# KiCad board Backplane_v2.kicad_pcb (continued)
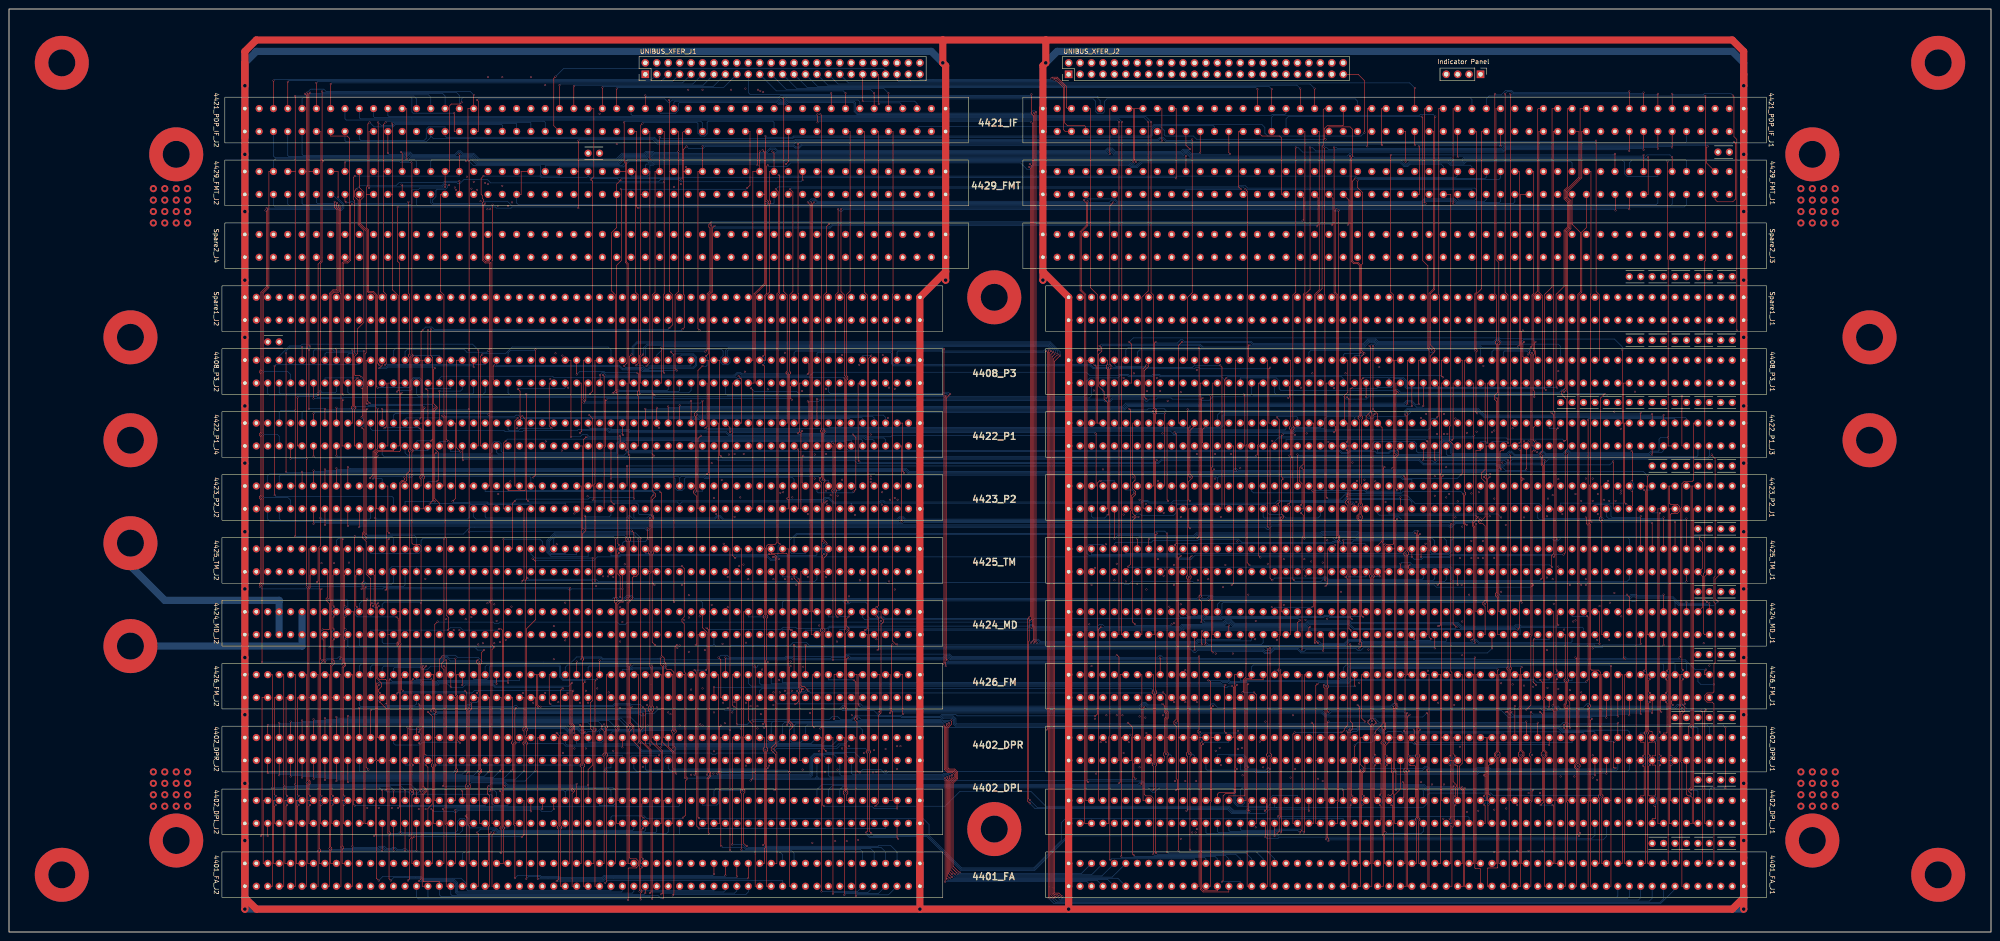
[diagram p0: board, top side]
## Routing (per net, layer and track width the routed paths; a pad name or vN(x,y) marks a point on that pad's centre or on a via; arc(x,y) is an arc through that point) (continued)
  B.Sig.In w0.127: 4402_DPR_J1.30 349.54,39.24 v2(351.57,39.24) ; v2(196.63,76.07) 196.89,76.33 252.26,76.33 v2(252.51,76.07) 252.77,76.33 268.89,76.33 269.15,76.07 349.03,76.07 v2(350.05,77.09)
M1MBS01*: length 228
  F.Sig.In w0.127: v2(348.27,36.83) 348.27,69.34 348.52,69.6 348.52,76.58 v2(349.03,77.09) ; 4426_FM_J2.8 195.62,52.07 195.62,77.6 v2(195.36,77.85) ; v2(250.48,77.34) 4425_TM_J1.108
  B.Sig.In w0.127: 4402_DPR_J1.32 347,36.83 v2(348.27,36.83) ; v2(349.03,77.09) 348.27,76.33 292.14,76.33 291.88,76.58 271.31,76.58 270.55,77.34 262.93,77.34 262.42,77.85 250.99,77.85 v2(250.48,77.34) 250.35,77.22 245.4,77.22 244.51,78.11 195.62,78.11 v2(195.36,77.85)
M1MBS02*: length 317.2
  F.Sig.In w0.127: v2(192.57,35.56) 193.08,36.07 193.08,47.62 192.44,48.26 192.44,48.89 193.08,49.53 193.08,52.07 4426_FM_J2.10 ; v2(344.46,34.54) 4402_DPR_J1.34 345.48,38.1 345.48,44.83 345.73,45.09 345.73,49.78 345.48,50.04 345.48,55.5 345.22,55.75 345.22,56.01 345.48,56.26 345.48,66.67 345.98,67.18 345.98,76.58 v2(346.49,77.09) ; v2(247.94,77.85) 4425_TM_J1.110
  B.Sig.In w0.127: v2(346.49,77.09) 346.24,77.34 338.87,77.34 338.62,77.6 293.02,77.6 292.77,77.34 291.75,77.34 291.5,77.6 263.05,77.6 262.55,78.11 248.19,78.11 v2(247.94,77.85) ; v2(344.46,34.54) 343.7,35.31 242.73,35.31 242.1,34.67 240.95,34.67 240.07,35.56 209.2,35.56 208.95,35.31 192.82,35.31 v2(192.57,35.56)
M1MBS03*: length 230.5
  F.Sig.In w0.127: v2(188.88,78.11) 188.5,77.72 188.5,52.07 4426_FM_J2.12 ; v2(245.4,78.11) 4425_TM_J1.112 ; 4402_DPR_J1.36 342.94,38.1 342.94,48.26 343.19,48.51 343.19,50.55 342.94,50.8 342.94,71.75 342.43,72.26 342.43,73.28 342.94,73.79 342.94,78.11 v2(342.68,78.36)
  B.Sig.In w0.127: v2(188.88,78.11) 189.14,78.36 245.15,78.36 v2(245.4,78.11) 245.65,78.36 262.67,78.36 263.31,78.99 276.77,78.99 277.15,79.38 277.15,80.64 277.79,81.28 289.6,81.28 290.1,80.77 290.1,78.23 290.49,77.85 291.63,77.85 291.88,77.6 292.64,77.6 292.9,77.85 342.17,77.85 v2(342.68,78.36)
M1MBS04*: length 156.4
  F.SigTop w0.127: v2(261.91,39.5) v2(261.91,78.87)
  F.Sig.In w0.127: 4426_FM_J2.22 177.84,52.07 178.09,52.32 178.09,78.11 v2(177.33,78.87)
  B.Sig.In w0.127: v2(261.91,78.87) 261.66,78.61 242.86,78.61 ; 242.86,78.61 4425_TM_J1.114 ; 242.86,78.61 181.9,78.61 181.65,78.36 177.84,78.36 v2(177.33,78.87)
  B.Sig.Top w0.127: 4402_DPR_J1.98 263.18,39.12 262.8,39.5 v2(261.91,39.5)
M1MBS05*: length 153.2
  F.Sig.In w0.127: v2(174.79,77.09) 175.3,76.58 175.3,56.64 174.28,55.63 4426_FM_J2.24 ; v2(240.32,77.09) 4425_TM_J1.116 ; v2(258.61,77.09) 259.12,76.58 259.12,57.66 259.37,57.4 259.37,51.94 259.62,51.69 259.62,38.1 4402_DPR_J1.100
  B.Sig.In w0.127: v2(258.61,77.09) 258.35,76.84 240.57,76.84 v2(240.32,77.09) 240.07,76.84 175.04,76.84 v2(174.79,77.09)
M1MBS06*: length 130.6
  F.SigTop w0.127: v2(256.83,39.5) 256.83,47.37 257.08,47.62 257.08,48.64 256.83,48.89 256.83,52.58 v2(256.19,53.21) ; v2(177.45,53.59) 176.57,54.48 176.06,54.48 175.8,54.74 175.8,80.01 4425_TM_J2.22
  B.Sig.Top w0.127: 4402_DPR_J1.102 258.1,39.12 257.72,39.5 v2(256.83,39.5) ; 4426_FM_J2.26 172.76,53.09 176.95,53.09 v2(177.45,53.59) 177.96,53.09 253.78,53.09 254.04,52.83 254.54,52.83 254.8,53.09 256.07,53.09 v2(256.19,53.21)
M1MBS07*: length 133
  F.SigTop w0.127: v2(174.53,50.67) 174.79,50.67 175.3,51.18 175.3,53.21 175.55,53.47 175.55,53.98 175.3,54.23 175.3,77.6 174.28,78.61 4425_TM_J2.24 ; 4402_DPR_J1.104 256.58,38.1 256.58,38.99 256.32,39.24 256.32,39.75 256.58,40 256.58,47.5 256.83,47.75 256.83,48.51 256.58,48.77 256.58,50.16 v2(256.07,50.67)
  B.Sig.Top w0.127: 4426_FM_J2.28 170.6,50.67 v2(174.53,50.67) 188.38,50.67 188.5,50.8 188.88,50.8 189.52,50.16 250.86,50.16 251.62,50.93 252.38,50.93 252.89,50.42 255.81,50.42 v2(256.07,50.67)
M1MBS08*: length 69.8
  F.SigTop w0.127: 176.06,53.98 175.93,53.85 175.93,53.72 ; 176.06,53.98 v2(176.31,53.98) ; 176.06,53.98 175.93,53.98 ; v2(175.3,78.36) 175.55,78.11 175.55,54.36 175.93,53.98 ; 4402_DPR_J2.22 175.55,38.1 175.55,53.09 175.93,53.47 175.93,53.72 ; v2(156.5,54.36) 4426_FM_J2.38 ; 175.93,53.72 175.93,53.98
  B.Sig.Top w0.127: 4425_TM_J2.26 171.74,78.87 174.79,78.87 v2(175.3,78.36) ; v2(156.5,54.36) 175.93,54.36 v2(176.31,53.98)
M1MBS09*: length 71.7
  F.Sig.In w0.127: v2(173.77,78.36) 173.26,77.85 173.26,60.83 173.52,60.58 173.77,60.58 174.03,60.33 174.03,59.82 173.77,59.56 173.39,59.56 173.01,59.18 173.01,54.36 v2(173.77,53.59) 173.26,53.09 173.26,46.86 174.03,46.1 174.03,45.59 173.01,44.58 173.01,38.1 4402_DPR_J2.24 ; v2(153.96,54.1) 4426_FM_J2.40
  B.Sig.In w0.127: v2(173.77,78.36) 173.26,78.87 170.34,78.87 4425_TM_J2.28 ; v2(173.77,53.59) 173.26,54.1 169.33,54.1 168.95,53.72 154.34,53.72 v2(153.96,54.1)
M1MBS10*: length 72.3
  F.Sig.In w0.127: v2(172.25,78.36) 172.76,77.85 172.76,54.1 v2(172.25,53.59) 172.76,53.09 172.76,47.12 172.25,46.61 172.25,45.85 172.76,45.34 172.76,38.1 4402_DPR_J2.26 ; v2(151.42,53.85) 4426_FM_J2.42
  B.Sig.In w0.127: 4425_TM_J2.30 166.66,78.87 169.96,78.87 170.47,78.36 v2(172.25,78.36) ; v2(172.25,53.59) 171.99,53.85 169.45,53.85 169.07,53.47 151.8,53.47 v2(151.42,53.85)
M1MBS11*: length 71.7
  F.Sig.In w0.127: v2(169.71,78.36) 170.22,77.85 170.22,53.72 v2(169.71,53.21) 170.22,52.71 170.22,51.56 169.32,50.66 169.32,50.17 170.22,49.28 170.22,41.91 169.2,40.89 4402_DPR_J2.28 ; v2(164.12,78.36) 4425_TM_J2.32
  B.Sig.In w0.127: 4426_FM_J2.44 148.88,53.21 v2(169.71,53.21) ; v2(169.71,78.36) 169.2,77.85 164.63,77.85 v2(164.12,78.36)
M1MBS12*: length 79.2
  F.Sig.In w0.127: 4426_FM_J2.54 137.2,52.07 137.2,73.15 137.7,73.66 137.7,73.79 137.45,74.04 137.45,80.9 v2(136.69,81.66) ; v2(133.13,53.21) 132.62,52.71 132.62,45.97 132.88,45.72 132.88,45.47 132.62,45.21 132.62,40.26 131.86,39.5 131.86,39.12 132.12,38.86 132.12,38.1 4402_DPR_J2.58
  B.Sig.In w0.127: 4425_TM_J2.34 161.58,81.28 161.07,81.79 148.88,81.79 148.25,81.15 137.2,81.15 v2(136.69,81.66) ; 4426_FM_J2.54 136.18,53.21 v2(133.13,53.21)
M1MBS13*: length 74.8
  F.Sig.In w0.127: v2(128.56,50.93) 129.07,50.42 129.07,45.21 129.58,44.7 129.58,38.1 4402_DPR_J2.60 ; v2(134.15,78.87) 134.66,78.36 134.66,74.29 134.4,74.04 134.4,73.28 134.66,73.02 134.66,52.07 4426_FM_J2.56
  B.Sig.In w0.127: 4426_FM_J2.56 133.64,50.93 v2(128.56,50.93) ; v2(134.15,78.87) 159.04,78.87 4425_TM_J2.36
M1MBS14*: length 51.5
  F.Sig.In w0.127: v2(128.05,53.59) 127.67,53.59 127.29,53.21 127.29,45.59 126.78,45.09 126.78,44.07 127.04,43.81 127.04,38.1 4402_DPR_J2.62 ; 4425_TM_J2.56 132.37,80.01 132.37,53.34 4426_FM_J2.58
  B.Sig.In w0.127: 4426_FM_J2.58 131.1,53.34 130.85,53.59 v2(128.05,53.59)
M1MBS15*: length 52.7
  F.Sig.In w0.127: 4402_DPR_J2.64 124.5,38.1 124.5,44.7 123.99,45.21 123.99,45.72 124.5,46.23 124.5,52.58 v2(123.99,53.09) ; 4425_TM_J2.58 129.58,80.01 129.58,52.07 4426_FM_J2.60
  B.Sig.In w0.127: 4426_FM_J2.60 128.56,53.09 v2(123.99,53.09)
M1MBS16*: length 108.7
  F.SigTop w0.127: 4426_FM_J2.70 116.88,52.07 v2(116.88,35.81) ; 4402_DPR_J2.102 v2(75.22,33.27)
  F.Sig.In w0.127: v2(126.78,50.93) 127.04,51.18 127.04,59.94 126.53,60.45 126.53,60.83 127.04,61.34 127.04,79.5 127.54,80.01 4425_TM_J2.60
  B.Sig.In w0.127: 4426_FM_J2.70 115.86,50.55 115.99,50.42 116.62,50.42 116.75,50.55 119.16,50.55 119.54,50.16 126.02,50.16 v2(126.78,50.93)
  B.Sig.Top w0.127: v2(75.22,33.27) 75.47,33.53 114.59,33.53 v2(116.88,35.81)
M1MBS17*: length 162.8
  F.SigTop w0.127: 4426_FM_J2.72 114.34,52.07 114.34,45.47 114.08,45.21 114.08,44.83 114.34,44.58 114.34,42.29 114.08,42.04 114.08,41.78 114.34,41.53 v2(114.34,35.81) ; 4402_DPR_J2.104 v2(72.68,33.53)
  F.Sig.In w0.127: v2(75.47,82.04) 73.95,80.52 73.95,60.33 73.44,59.82 73.44,59.31 73.7,59.05 73.7,38.1 4402_DPR_J2.104
  B.Sig.In w0.127: 4425_TM_J2.62 126.02,81.03 125.26,81.79 75.73,81.79 v2(75.47,82.04)
  B.Sig.Top w0.127: v2(72.68,33.53) 72.93,33.78 112.3,33.78 v2(114.34,35.81)
M1MBS18*: length 162.3
  F.SigTop w0.127: v2(111.54,35.81) 111.8,36.07 111.8,41.66 111.54,41.91 111.54,42.16 111.8,42.42 111.8,52.07 4426_FM_J2.74 ; 4402_DPR_J2.106 v2(70.14,33.78)
  F.Sig.In w0.127: v2(72.17,81.91) 71.66,81.41 71.66,60.58 70.9,59.82 70.9,59.31 71.16,59.05 71.16,38.1 4402_DPR_J2.106
  B.Sig.In w0.127: 4425_TM_J2.64 123.48,81.03 122.97,81.53 72.55,81.53 v2(72.17,81.91)
  B.Sig.Top w0.127: v2(111.54,35.81) 109.76,34.04 70.39,34.04 v2(70.14,33.78)
M1MBS19*: length 161.7
  F.SigTop w0.127: 4402_DPR_J2.108 v2(67.6,34.04) ; v2(109,35.81) 109.26,36.07 109.26,52.07 4426_FM_J2.76
  F.Sig.In w0.127: v2(69.38,81.91) 68.87,81.41 68.87,77.47 68.62,77.22 68.62,38.1 4402_DPR_J2.108
  B.Sig.In w0.127: v2(69.38,81.91) 70.01,81.28 120.69,81.28 120.94,81.03 4425_TM_J2.66
  B.Sig.Top w0.127: v2(67.6,34.04) 67.85,34.29 107.48,34.29 v2(109,35.81)
M1MBS20*: length 105.6
  F.Sig.In w0.127: v2(130.34,76.84) 129.83,76.33 129.83,54.86 v2(130.59,54.1) 130.08,53.59 130.08,45.34 129.83,45.09 129.83,44.83 130.08,44.58 130.08,24.13 4402_DPL_J2.58
  B.Sig.In w0.127: v2(130.34,76.84) 128.81,78.36 118.91,78.36 118.4,78.87 4425_TM_J2.68 ; 4426_FM_J2.86 95.54,53.21 99.99,53.21 100.87,54.1 101.51,54.1 102.02,53.59 123.35,53.59 123.86,54.1 v2(130.59,54.1)
M1MBS21*: length 117.1
  F.Sig.In w0.127: 91.98,52.07 91.98,32.38 92.62,31.75 92.62,31.12 91.98,30.48 91.98,27.81 v2(92.49,27.3) ; 91.98,52.07 4426_FM_J2.88 ; 91.98,52.07 91.98,57.78 93.13,58.93 93.13,63.5 91.98,64.64 91.98,77.98 v2(92.43,78.42)
  B.Sig.In w0.127: 4425_TM_J2.70 114.59,78.74 92.75,78.74 v2(92.43,78.42) ; v2(92.49,27.3) 93.51,26.29 99.48,26.29 99.99,26.8 102.14,26.8 102.65,26.29 128.43,26.29 128.56,26.16 4402_DPL_J2.60
M1MBS22*: length 105.6
  F.SigTop w0.127: v2(82.08,72.39) 81.82,72.14 81.82,56.51 82.21,56.13 83.6,56.13 83.86,55.88 83.86,50.8 v2(83.6,50.55) ; v2(80.81,72.39) 81.06,72.64 81.06,79.25 4425_TM_J2.98
  F.Sig.In w0.127: 4426_FM_J2.90 91.48,52.07 91.48,37.34 91.22,37.08 91.22,31.37 91.48,31.12 91.48,27.81 v2(90.97,27.3)
  B.Sig.In w0.127: v2(90.97,27.3) 92.24,26.03 99.6,26.03 100.11,26.54 101.89,26.54 102.4,26.03 125.64,26.03 126.02,25.65 4402_DPL_J2.62
  B.Sig.Top w0.127: 4426_FM_J2.90 90.46,50.67 90.08,50.29 83.86,50.29 v2(83.6,50.55) ; v2(82.08,72.39) 81.82,72.14 81.06,72.14 v2(80.81,72.39)
M1MBS23*: length 114.7
  F.SigTop w0.127: v2(86.14,52.96) 86.4,53.21 86.4,63.37 86.14,63.63 86.14,64.26 86.4,64.52 86.4,69.6 v2(86.01,69.98) ; v2(121.57,44.2) 122.21,43.56 v2(122.21,23.24) ; v2(125.51,44.2) 125.51,45.85 125,46.36 125,53.34 v2(125.26,53.59) ; v2(77.25,72.14) 77,72.39 77,79.25 4425_TM_J2.100
  B.Sig.Top w0.127: 87.92,53.09 86.27,53.09 v2(86.14,52.96) ; 87.92,53.09 102.78,53.09 103.29,53.59 v2(125.26,53.59) ; 87.92,53.09 4426_FM_J2.92 ; 4402_DPL_J2.64 123.48,23.11 122.34,23.11 v2(122.21,23.24) ; v2(86.01,69.98) 77.38,69.98 76.74,70.61 76.74,71.63 v2(77.25,72.14) ; v2(121.57,44.2) v2(125.51,44.2)
M1MBS24*: length 60.2
  F.SigTop w0.127: v2(74.46,28.32) 74.2,28.07 74.2,24.13 4402_DPL_J2.102 ; 74.2,52.07 4426_FM_J2.102 ; 74.2,52.07 74.2,30.48 v2(74.46,30.23) ; 74.2,52.07 74.2,58.67 74.71,59.18 74.71,59.69 74.46,59.94 74.46,64.77 v2(74.71,65.02) ; v2(74.71,67.18) 74.46,67.44 74.46,69.85 v2(74.71,70.1) ; 4425_TM_J2.102 74.46,79.25 74.46,72.52 v2(74.71,72.26)
  B.Sig.Top w0.127: v2(74.71,65.02) 74.2,65.53 74.2,66.67 v2(74.71,67.18) ; v2(74.71,70.1) 74.2,70.61 74.2,71.75 v2(74.71,72.26) ; v2(74.46,30.23) 74.2,29.97 74.2,28.58 v2(74.46,28.32)
M1MBS25*: length 60.2
  F.SigTop w0.127: v2(72.17,70.1) 71.92,69.85 71.92,67.44 v2(72.17,67.18) ; 4425_TM_J2.104 71.92,79.25 71.92,72.52 v2(72.17,72.26) ; v2(71.92,30.23) 71.66,30.48 71.66,52.07 ; v2(71.92,28.32) 71.66,28.07 71.66,24.13 4402_DPL_J2.104 ; 71.66,52.07 71.66,59.05 72.17,59.56 72.17,60.2 71.92,60.45 71.92,64.77 v2(72.17,65.02) ; 71.66,52.07 4426_FM_J2.104
  B.Sig.Top w0.127: v2(72.17,72.26) 71.66,71.75 71.66,70.61 v2(72.17,70.1) ; v2(72.17,65.02) 71.66,65.53 71.66,66.67 v2(72.17,67.18) ; v2(71.92,30.23) 71.66,29.97 71.66,28.58 v2(71.92,28.32)
M1MBS26*: length 61.4
  F.SigTop w0.127: 69.12,52.07 4426_FM_J2.106 ; 69.12,52.07 69.12,30.48 v2(69.38,30.23) ; 69.12,52.07 69.12,59.56 69.89,60.33 69.89,64.77 v2(69.63,65.02) ; v2(69.63,67.18) 71.03,67.18 71.16,67.31 71.16,72.9 70.39,73.66 70.39,74.04 70.78,74.42 70.78,79.38 4425_TM_J2.106 ; v2(69.38,28.32) 69.12,28.07 69.12,24.13 4402_DPL_J2.106
  B.Sig.Top w0.127: v2(69.38,28.32) 69.12,28.58 69.12,29.97 v2(69.38,30.23) ; v2(69.63,65.02) 69.12,65.53 69.12,66.67 v2(69.63,67.18)
M1MBS27*: length 59
  F.SigTop w0.127: 66.58,52.07 66.58,33.78 66.84,33.53 66.84,32.89 66.58,32.64 66.58,30.48 v2(66.84,30.23) ; 66.58,52.07 66.58,76.2 66.84,76.45 66.84,79.25 4425_TM_J2.108 ; 66.58,52.07 4426_FM_J2.108 ; 4402_DPL_J2.108 66.58,24.13 66.58,27.94 v2(66.84,28.19)
  B.Sig.Top w0.127: v2(66.84,30.23) 66.58,29.97 66.58,28.45 v2(66.84,28.19)
M2EBS00*: length 70.9
  F.Sig.In w0.127: v2(338.36,54.48) 338.36,39.88 338.62,39.62 338.62,39.12 338.36,38.86 338.36,32.13 338.87,31.62 338.87,31.37 338.36,30.86 338.36,24.13 4402_DPL_J1.38
  B.Sig.In w0.127: 4426_FM_J1.68 301.28,53.47 302.04,54.23 338.11,54.23 v2(338.36,54.48)
M2EBS01*: length 71.4
  F.Sig.In w0.127: v2(336.33,54.74) 335.82,54.23 335.82,40 336.08,39.75 336.08,39.24 335.82,38.99 335.82,24.13 4402_DPL_J1.40
  B.Sig.In w0.127: v2(336.33,54.74) 336.08,54.48 301.92,54.48 301.03,53.59 299.12,53.59 298.74,53.21 4426_FM_J1.70
M2EBS02*: length 71.8
  F.Sig.In w0.127: 4402_DPL_J1.42 333.28,24.13 333.28,48.51 333.03,48.77 333.03,54.23 v2(333.79,54.99)
  B.Sig.In w0.127: v2(333.79,54.99) 333.54,54.74 301.79,54.74 300.9,53.85 296.71,53.85 296.2,53.34 4426_FM_J1.72
M2EBS03*: length 72.2
  F.Sig.In w0.127: v2(331.25,55.25) 330.74,54.74 330.74,40 331,39.75 331,38.99 330.74,38.74 330.74,24.13 4402_DPL_J1.44
  B.Sig.In w0.127: 4426_FM_J1.74 293.66,53.34 294.42,54.1 300.77,54.1 301.66,54.99 331,54.99 v2(331.25,55.25)
M2EBS04*: length 54.7
  F.Sig.In w0.127: 4402_DPL_J1.106 252,24.13 252,47.37 v2(252.26,47.62)
  B.Sig.In w0.127: v2(252.26,47.62) 252.51,47.88 254.42,47.88 255.43,46.86 256.83,46.86 257.59,47.62 276.01,47.62 278.42,50.04 4426_FM_J1.86
M2EBS05*: length 53.8
  F.Sig.In w0.127: 4402_DPL_J1.108 251.5,24.13 251.5,32.38 251.75,32.64 251.75,47.12 v2(250.99,47.88)
  B.Sig.In w0.127: 4426_FM_J1.88 275.88,50.04 273.72,47.88 257.46,47.88 256.7,47.12 255.56,47.12 254.54,48.13 251.24,48.13 v2(250.99,47.88)
M2EBS06*: length 56.4
  F.Sig.In w0.127: 4402_DPL_J1.110 246.92,24.13 246.92,38.74 247.31,39.12 247.69,39.12 248.07,39.5 248.07,40 247.69,40.39 247.18,40.39 246.92,40.64 246.92,47.88 v2(247.18,48.13)
  B.Sig.In w0.127: 4426_FM_J1.90 273.34,50.04 271.44,48.13 257.21,48.13 256.45,47.37 255.69,47.37 254.67,48.39 247.43,48.39 v2(247.18,48.13)
M2EBS07*: length 54.1
  F.Sig.In w0.127: 4402_DPL_J1.112 246.42,24.13 246.42,32.38 245.91,32.89 245.91,33.27 246.42,33.78 246.42,47.62 v2(245.91,48.13)
  B.Sig.In w0.127: v2(245.91,48.13) 246.42,48.64 255.05,48.64 255.95,47.74 256.44,47.74 257.08,48.39 269.15,48.39 270.8,50.04 4426_FM_J1.92
M2EBS08*: length 122.4
  F.Sig.In w0.127: 4402_DPL_J2.30 165.64,24.13 165.64,34.67 166.15,35.18 166.15,35.81 165.64,36.32 165.64,49.66 v2(166.15,50.16)
  B.Sig.In w0.127: v2(166.15,50.16) 166.41,49.91 184.19,49.91 184.82,50.55 185.46,50.55 186.22,49.78 192.31,49.78 192.44,49.91 246.42,49.91 246.67,50.16 246.67,52.96 247.18,53.47 253.4,53.47 253.78,53.85 254.8,53.85 255.56,53.09 4426_FM_J1.104
M2EBS09*: length 121
  F.Sig.In w0.127: v2(164.63,50.16) 164.63,46.61 165.14,46.1 165.14,24.13 4402_DPL_J2.32
  B.Sig.In w0.127: v2(164.63,50.16) 164.63,49.78 164.75,49.66 184.31,49.66 184.95,50.29 185.33,50.29 186.09,49.53 192.44,49.53 192.57,49.66 246.54,49.66 246.92,50.04 246.92,52.83 247.31,53.21 253.02,53.21 4426_FM_J1.106
M2EBS10*: length 119.5
  F.Sig.In w0.127: 4402_DPL_J2.34 160.31,24.13 160.31,44.32 160.56,44.58 160.56,45.09 160.31,45.34 160.31,48.51 v2(160.56,48.77)
  B.Sig.In w0.127: 4426_FM_J1.108 250.48,49.91 249.72,49.15 194.09,49.15 193.2,48.26 192.82,48.26 192.19,48.89 184.82,48.89 184.57,49.15 160.94,49.15 v2(160.56,48.77)
M2EBS11*: length 118.4
  F.Sig.In w0.127: v2(159.55,49.78) 160.06,49.28 160.06,45.47 159.55,44.96 159.55,44.7 160.06,44.2 160.06,24.13 4402_DPL_J2.36
  B.Sig.In w0.127: 4426_FM_J1.110 247.94,49.91 247.43,49.4 192.69,49.4 192.44,49.15 184.95,49.15 184.69,49.4 159.93,49.4 v2(159.55,49.78)
M2MBS00*: length 214.6
  F.Sig.In w0.127: v2(340.65,39.37) 340.65,18.29 v2(340.4,18.03) ; v2(188.5,20.45) 188,20.96 188,46.23 186.22,48.01 186.22,51.31 4426_FM_J2.14
  B.Sig.In w0.127: v2(340.65,39.37) 339.63,39.37 339.38,39.12 4402_DPR_J1.38 ; v2(188.5,20.45) 188.76,20.7 196.76,20.7 197.27,20.19 204,20.19 209.71,14.48 229.27,14.48 234.99,20.19 288.45,20.19 289.85,18.8 339.63,18.8 v2(340.4,18.03)
M2MBS01*: length 215.1
  F.Sig.In w0.127: v2(185.96,20.19) 185.46,20.7 185.46,30.48 185.2,30.73 185.2,31.24 185.46,31.5 185.46,39.24 184.44,40.26 184.44,40.89 185.46,41.91 185.46,48.89 184.44,49.91 4426_FM_J2.16 ; v2(338.11,39.37) 338.11,33.02 337.86,32.77 337.86,18.41 337.48,18.03 v2(337.35,18.03)
  B.Sig.In w0.127: v2(185.96,20.19) 186.22,19.94 188.76,19.94 189.27,20.45 196.63,20.45 197.14,19.94 203.87,19.94 209.59,14.22 229.4,14.22 235.11,19.94 288.33,19.94 289.72,18.54 336.84,18.54 v2(337.35,18.03) ; v2(338.11,39.37) 337.09,39.37 336.84,39.12 4402_DPR_J1.40
M2MBS02*: length 214.8
  F.Sig.In w0.127: v2(183.42,20.19) 182.92,20.7 182.92,46.74 182.66,46.99 182.66,47.5 182.92,47.75 182.92,52.07 4426_FM_J2.18 ; v2(334.81,18.03) 335.32,18.54 335.32,28.19 335.57,28.45 v2(335.57,39.37)
  B.Sig.In w0.127: 4402_DPR_J1.42 334.3,39.12 334.55,39.37 v2(335.57,39.37) ; v2(183.42,20.19) 183.93,19.68 188.88,19.68 189.39,20.19 196.5,20.19 197.01,19.68 203.74,19.68 209.46,13.97 229.52,13.97 235.24,19.68 288.2,19.68 289.6,18.29 334.55,18.29 v2(334.81,18.03)
M2MBS03*: length 215.2
  F.Sig.In w0.127: v2(329.73,17.78) 330.24,18.29 330.24,27.18 330.49,27.43 v2(330.49,39.37) ; v2(178.34,19.81) 178.09,20.07 178.09,45.59 178.34,45.85 178.34,52.07 4426_FM_J2.20
  B.Sig.In w0.127: v2(330.49,39.37) 331.51,39.37 331.76,39.12 4402_DPR_J1.44 ; v2(178.34,19.81) 178.73,19.43 189.01,19.43 189.52,19.94 196.38,19.94 196.89,19.43 203.62,19.43 209.33,13.72 229.65,13.72 235.37,19.43 288.07,19.43 289.47,18.03 329.6,18.03 329.73,17.91 v2(329.73,17.78)
M2MBS04*: length 107.9
  F.SigTop w0.127: v2(254.29,37.34) v2(254.29,53.34)
  B.Sig.Top w0.127: 4402_DPR_J1.106 253.78,37.34 v2(254.29,37.34) ; v2(254.29,53.34) 253.53,54.1 177.33,54.1 176.57,53.34 175.8,53.34 175.04,54.1 167.17,54.1 166.66,53.59 4426_FM_J2.30
M2MBS05*: length 109.4
  F.SigTop w0.127: v2(250.1,34.04) 249.72,34.42 249.72,37.34 4402_DPR_J1.108 ; v2(164.63,33.65) 165.14,34.16 165.14,46.1 164.12,47.12 4426_FM_J2.32
  B.Sig.Top w0.127: v2(250.1,34.04) 249.97,33.91 239.56,33.91 239.3,33.65 207.68,33.65 207.43,33.91 164.88,33.91 v2(164.63,33.65)
M2MBS06*: length 106.1
  F.SigTop w0.127: v2(248.45,46.48) 249.46,45.47 249.46,43.56 249.21,43.31 249.21,38.1 4402_DPR_J1.110 ; v2(161.58,46.1) 4426_FM_J2.34
  B.Sig.Top w0.127: v2(248.45,46.48) 248.19,46.23 210.35,46.23 210.22,46.36 210.22,47.37 209.59,48.01 207.17,48.01 206.79,47.62 198.16,47.62 197.9,47.88 192.95,47.88 192.82,48.01 187.74,48.01 186.98,47.24 184.57,47.24 183.93,47.88 182.79,47.88 182.15,47.24 165.01,47.24 163.87,46.1 v2(161.58,46.1)
M2MBS07*: length 124.2
  F.SigTop w0.127: v2(245.91,61.47) 246.04,61.47 246.42,61.09 246.42,38.1 4402_DPR_J1.112 ; 4426_FM_J2.36 158.02,52.07 158.02,60.45 v2(157.52,60.96)
  B.Sig.Top w0.127: v2(157.52,60.96) 158.02,61.47 159.42,61.47 159.93,60.96 172.25,60.96 172.5,61.21 185.46,61.21 185.96,61.72 208.82,61.72 209.33,61.21 245.65,61.21 v2(245.91,61.47)
M2MBS08*: length 36.6
  F.Sig.In w0.127: v2(146.34,48.77) 4426_FM_J2.46 ; v2(166.91,48.39) 166.91,45.47 167.68,44.7 167.68,41.02 167.42,40.77 167.42,40.26 167.68,40 167.68,38.1 4402_DPR_J2.30
  B.Sig.In w0.127: v2(166.91,48.39) 166.66,48.64 161.58,48.64 160.94,48.01 156.5,48.01 155.48,49.02 146.59,49.02 v2(146.34,48.77)
M2MBS09*: length 36.4
  F.Sig.In w0.127: v2(143.8,49.91) 4426_FM_J2.48 ; v2(163.61,50.93) 163.36,50.67 163.36,44.7 163.1,44.45 163.1,38.1 4402_DPR_J2.32
  B.Sig.In w0.127: v2(143.8,49.91) 144.05,50.16 158.79,50.16 158.91,50.29 160.82,50.29 160.94,50.42 163.1,50.42 v2(163.61,50.93)
M2MBS10*: length 36.1
  F.Sig.In w0.127: v2(161.07,51.05) 160.56,50.55 160.56,49.78 161.07,49.28 161.07,48.51 160.82,48.26 160.82,44.45 160.56,44.2 160.56,38.1 4402_DPR_J2.34 ; v2(141.64,50.42) 141.26,50.8 4426_FM_J2.50
  B.Sig.In w0.127: v2(141.64,50.42) 158.66,50.42 158.79,50.55 160.56,50.55 v2(161.07,51.05)
M2MBS11*: length 35.2
  F.Sig.In w0.127: 4402_DPR_J2.36 158.02,38.1 158.02,44.96 158.53,45.47 158.53,45.96 158.28,46.22 158.28,50.67 v2(158.53,50.93)
  B.Sig.In w0.127: v2(158.53,50.93) 138.72,50.93 4426_FM_J2.52
M2MBS12*: length 19.5
  F.Sig.In w0.127: 4402_DPR_J2.66 121.96,38.1 121.96,43.81 122.46,44.32 122.46,50.55 v2(121.96,51.05)
  B.Sig.In w0.127: v2(121.96,51.05) 126.02,51.05 4426_FM_J2.62
M2MBS13*: length 21.6
  F.Sig.In w0.127: 4402_DPR_J2.68 119.42,38.1 119.42,52.71 v2(119.04,53.09)
  B.Sig.In w0.127: 4426_FM_J2.64 123.48,53.09 v2(119.04,53.09)
M2MBS14*: length 19.1
  F.Sig.In w0.127: 4402_DPR_J2.70 116.88,38.1 116.88,50.42 v2(116.37,50.93)
  B.Sig.In w0.127: v2(116.37,50.93) 119.8,50.93 4426_FM_J2.66
M2MBS15*: length 21.9
  F.Sig.In w0.127: 4402_DPR_J2.72 114.34,38.1 114.34,41.53 114.08,41.78 114.08,42.04 114.34,42.29 114.34,44.58 114.08,44.83 114.08,45.21 114.34,45.47 114.34,52.83 v2(114.08,53.09)
  B.Sig.In w0.127: 4426_FM_J2.68 118.4,53.09 v2(114.08,53.09)
M2MBS16*: length 63.4
  F.SigTop w0.127: 4426_FM_J2.78 106.72,52.07 106.72,35.81 v2(106.46,35.56) ; 4402_DPR_J2.110 v2(65.06,34.29)
  B.Sig.Top w0.127: v2(65.06,34.29) 65.31,34.54 105.45,34.54 v2(106.46,35.56)
M2MBS17*: length 63
  F.SigTop w0.127: v2(104.18,35.81) 104.18,52.07 4426_FM_J2.80 ; 4402_DPR_J2.112 v2(62.52,34.54)
  B.Sig.Top w0.127: v2(104.18,35.81) 103.16,34.8 62.77,34.8 v2(62.52,34.54)
M2MBS18*: length 61.9
  F.SigTop w0.127: 4426_FM_J2.82 101.38,51.31 101.38,49.4 101.64,49.15 101.64,36.07 v2(101.38,35.81) ; v2(59.98,34.8) 4402_DPR_J2.114
  B.Sig.Top w0.127: v2(101.38,35.81) 100.62,35.05 60.23,35.05 v2(59.98,34.8)
M2MBS19*: length 61.9
  F.SigTop w0.127: v2(99.1,35.81) 99.1,52.07 4426_FM_J2.84 ; 4402_DPR_J2.116 v2(57.44,35.31)
  B.Sig.Top w0.127: v2(99.1,35.81) 98.59,35.31 v2(57.44,35.31)
M2MBS20*: length 64.4
  F.Sig.In w0.127: 4426_FM_J2.94 84.36,52.07 84.36,28.19 v2(85,27.56)
  B.Sig.In w0.127: 4402_DPL_J2.66 120.94,25.53 120.69,25.78 102.27,25.78 101.76,26.29 100.24,26.29 99.73,25.78 86.78,25.78 v2(85,27.56)
M2MBS21*: length 64.3
  F.Sig.In w0.127: v2(82.08,27.56) 81.82,27.81 81.82,52.07 4426_FM_J2.96
  B.Sig.In w0.127: v2(82.08,27.56) 84.11,25.53 99.73,25.53 99.99,25.27 102.02,25.27 102.27,25.53 118.27,25.53 118.4,25.4 4402_DPL_J2.68
M2MBS22*: length 67
  F.Sig.In w0.127: v2(79.54,27.56) 79.28,27.81 79.28,52.07 4426_FM_J2.98
  B.Sig.In w0.127: 4402_DPL_J2.70 115.86,24.89 115.48,25.27 102.4,25.27 101.64,24.51 101.64,23.62 101.13,23.11 100.11,23.11 99.6,23.62 99.6,25.15 99.48,25.27 81.82,25.27 v2(79.54,27.56)
M2MBS23*: length 63.9
  F.SigTop w0.127: 4402_DPL_J2.72 112.3,24.13 112.3,41.66 112.56,41.91 112.56,42.16 112.3,42.42 112.3,49.53 v2(112.56,49.78)
  B.Sig.Top w0.127: 4426_FM_J2.100 77.76,50.42 78.14,50.04 101.76,50.04 102.02,50.29 102.27,50.29 102.78,49.78 v2(112.56,49.78)
M2MBS24*: length 30.4
  F.SigTop w0.127: 4426_FM_J2.110 64.04,52.07 64.04,30.48 v2(64.3,30.23) ; v2(64.3,28.19) 64.04,27.94 64.04,24.13 4402_DPL_J2.110
  B.Sig.Top w0.127: v2(64.3,30.23) 64.04,29.97 64.04,28.45 v2(64.3,28.19)
M2MBS25*: length 30.4
  F.SigTop w0.127: v2(61.76,28.19) 61.5,27.94 61.5,24.13 4402_DPL_J2.112 ; v2(61.76,30.23) 61.5,30.48 61.5,52.07 4426_FM_J2.112
  B.Sig.Top w0.127: v2(61.76,28.19) 61.5,28.45 61.5,29.97 v2(61.76,30.23)
M2MBS26*: length 30.4
  F.SigTop w0.127: 4402_DPL_J2.114 58.96,24.13 58.96,27.94 v2(59.22,28.19) ; v2(59.22,30.23) 58.96,30.48 58.96,52.07 4426_FM_J2.114
  B.Sig.Top w0.127: v2(59.22,30.23) 58.96,29.97 58.96,28.45 v2(59.22,28.19)
M2MBS27*: length 36.4
  F.SigTop w0.127: 4426_FM_J2.116 56.17,52.07 56.17,21.59 v2(55.92,21.34) ; 4402_DPL_J2.116 v2(57.44,21.34)
  B.Sig.Top w0.127: v2(57.44,21.34) v2(55.92,21.34)
MA2PNL: length 127.5
  F.SigTop w0.127: v2(267.24,62.1) 266.99,62.36 266.99,103.12 267.24,103.38 267.24,121.92 4408_P3_J1.94 ; v2(329.22,62.99) 4424_MD_J1.46
  B.Sig.Top w0.127: v2(329.22,62.99) 328.2,61.98 286.8,61.98 286.04,62.74 280.96,62.74 280.07,61.85 278.8,61.85 278.29,62.36 267.5,62.36 v2(267.24,62.1)
MA=SUP*: length 74.7
  F.SigTop w0.127: 4424_MD_J1.40 337.86,66.04 337.86,128.14 337.6,128.4 v2(337.6,129.16)
  B.Sig.Top w0.127: v2(337.6,129.16) 337.48,129.29 329.6,129.29 329.22,128.9 4408_P3_J1.45
MACE*: length 275.5
  F.SigTop w0.127: v2(325.66,90.68) 325.66,71.12 4424_MD_J1.47 ; 4423_P2_J2.102 v2(75.22,90.17)
  B.Sig.Top w0.127: v2(75.22,90.17) 75.47,90.42 319.69,90.42 319.95,90.17 320.2,90.17 320.96,90.93 325.41,90.93 v2(325.66,90.68)
